# Allegro board 038RT-9068CJK8E-A100_0921_1.brd (continued)
## Routing (per net, layer and track width the routed paths; a pad name or vN(x,y) marks a point on that pad's centre or on a via; arc(x,y) is an arc through that point) (continued)
  vias: v1(598.8,270.22) v1(599.23,277.43)
SG3_C_P4_HSI+: length 6.4
  BOTTOM w0.105: UNK3K184.35 555.59,249.14 556.59,249.14 557.75,247.98 557.75,247 558.11,246.64 560,246.64 560.1,246.75 UNK3CS64.1
SG3_C_P4_HSI-: length 6.4
  BOTTOM w0.105: UNK3K184.36 555.59,248.68 556.4,248.68 557.29,247.79 557.29,246.81 557.92,246.18 560,246.18 560.1,246.07 UNK3CS63.1
SG3_C_P4_HSO+: length 7.7
  BOTTOM w0.105: UNK3K184.37 555.59,248.14 556.29,248.14 556.75,247.69 556.75,245.61 558.22,244.13 560,244.13 560.1,244.24 UNK3CS62.1
SG3_C_P4_HSO-: length 7.7
  BOTTOM w0.105: UNK3K184.38 555.59,247.68 556.1,247.68 556.28,247.5 556.28,245.41 558.03,243.67 560,243.67 560.1,243.56 UNK3CS61.1
SG3_C_P5_HSI+: length 5.7
  BOTTOM w0.105: UNK3CS74.1 560.1,255.76 560,255.66 559.24,255.66 557.22,253.64 555.59,253.64 UNK3K184.26
SG3_C_P5_HSI-: length 5.7
  BOTTOM w0.105: UNK3CS73.1 560.1,255.09 560,255.19 559.43,255.19 557.42,253.18 555.59,253.18 UNK3K184.27
SG3_C_P5_HSO+: length 5
  BOTTOM w0.105: UNK3K184.28 555.59,252.64 558.46,252.64 558.96,253.15 560,253.15 560.1,253.25 UNK3CS72.1
SG3_C_P5_HSO-: length 5
  BOTTOM w0.105: UNK3K184.29 555.59,252.18 558.65,252.18 559.15,252.68 560,252.68 560.1,252.58 UNK3CS71.1
SG3_C_P6_HSI+: length 3.4
  BOTTOM w0.14: UNK3CS107.1 558.62,269.23 558.48,269.37 555.62,269.37 UNK3K217.27
SG3_C_P6_HSI-: length 3.4
  BOTTOM w0.14: UNK3K217.26 555.62,269.76 558.48,269.76 558.62,269.9 UNK3CS108.1
SG3_C_P6_HSO+: length 110.2
  TOP w0.14: v1(472.63,256.45) 472.71,256.37 arc(472.77,256.33) 472.85,256.31 475.04,256.31 arc(475.16,256.34) 475.26,256.4 476.71,257.86 arc(476.94,258.01) 477.21,258.06 527.21,258.06 arc(527.33,258.09) 527.43,258.15 527.43,258.16 542.16,272.89 arc(542.42,273.27) 542.51,273.73 542.51,274.28 arc(542.61,274.79) 542.9,275.21 547.29,279.61 arc(547.52,279.76) 547.79,279.82 561.85,279.82 arc(562.12,279.76) 562.35,279.61 565.93,276.03 arc(566.03,275.96) 566.15,275.94 566.42,275.94 arc(566.66,275.99) 566.87,276.12 UNK3CS102.1
  BOTTOM w0.14: UNK3K214.26 469.72,255.06 470.79,255.06 472.04,256.31 472.5,256.31 v1(472.63,256.45)
SG3_C_P6_HSO-: length 110.2
  TOP w0.14: v1(472.63,255.79) 472.71,255.86 arc(472.77,255.91) 472.85,255.92 475.04,255.92 arc(475.31,255.98) 475.53,256.13 476.99,257.58 arc(477.09,257.65) 477.21,257.67 527.21,257.67 arc(527.48,257.73) 527.71,257.88 542.44,272.61 arc(542.78,273.12) 542.9,273.73 542.9,274.28 arc(542.97,274.64) 543.17,274.94 547.57,279.34 arc(547.67,279.4) 547.79,279.43 561.85,279.43 arc(561.97,279.4) 562.07,279.34 565.65,275.75 arc(565.88,275.6) 566.15,275.55 566.42,275.55 arc(566.66,275.5) 566.87,275.36 UNK3CS101.1
  BOTTOM w0.14: UNK3K214.27 469.72,254.67 470.95,254.67 472.2,255.92 472.5,255.92 v1(472.63,255.79)
SG3_C_P7_HSI+: length 4.8
  BOTTOM w0.14: UNK3K217.29 555.62,268.37 557,268.37 557.41,267.96 557.41,266.91 557.81,266.51 558.48,266.51 558.62,266.37 UNK3CS117.1
SG3_C_P7_HSI-: length 4.8
  BOTTOM w0.14: UNK3K217.28 555.62,268.76 557.16,268.76 557.8,268.12 557.8,267.07 557.98,266.9 558.48,266.9 558.62,267.04 UNK3CS118.1
SG3_C_P7_HSO+: length 111.1
  TOP w0.14: UNK3CS112.1 566.87,273.61 arc(566.66,273.48) 566.42,273.43 564.56,273.43 arc(564.44,273.45) 564.34,273.52 560.26,277.6 arc(560.03,277.75) 559.76,277.81 548.81,277.81 arc(548.54,277.75) 548.31,277.6 544.66,273.95 arc(544.51,273.73) 544.46,273.46 544.46,270.64 arc(544.43,270.52) 544.37,270.42 528.35,254.4 arc(528.25,254.34) 528.13,254.31 472.85,254.31 arc(472.77,254.33) 472.71,254.37 v1(472.63,254.45)
  BOTTOM w0.14: UNK3K214.28 469.72,254.06 470.89,254.06 471.14,254.31 472.5,254.31 v1(472.63,254.45)
SG3_C_P7_HSO-: length 111.1
  TOP w0.14: v1(472.63,253.79) 472.71,253.86 arc(472.77,253.91) 472.85,253.92 528.13,253.92 arc(528.4,253.98) 528.63,254.13 544.64,270.14 arc(544.8,270.37) 544.85,270.64 544.85,273.46 arc(544.87,273.58) 544.94,273.68 548.59,277.33 arc(548.69,277.39) 548.81,277.42 559.76,277.42 arc(559.88,277.39) 559.98,277.33 564.06,273.25 arc(564.29,273.09) 564.56,273.04 566.42,273.04 arc(566.66,272.99) 566.87,272.86 UNK3CS111.1
  BOTTOM w0.14: v1(472.63,253.79) 472.5,253.92 471.3,253.92 471.05,253.67 469.72,253.67 UNK3K214.29
SG3_CKXTAL1: length 13.2
  BOTTOM w0.115: v1(605.2,263.82) 605.76,263.82 606.35,263.23 606.35,258.29 605.26,257.2 UNK3C75.2 605.26,252.67 UNK3Y6.3
SG3_CKXTAL2: length 19
  BOTTOM w0.115: v1(605.2,264.62) 606.41,264.62 607.38,263.66 607.38,257.86 606.29,256.77 UNK3C76.2 606.29,253.17 606.56,252.89 607.91,252.89 608.2,252.61 608.2,251.27 607.71,250.78 UNK3Y6.1
SG3_DCH_TDO: length 295.8
  L46_SIGNAL w0.102: v1(599.6,261.42) 599.2,261.02 599.2,258.67 599.12,258.6
  L46_SIGNAL w0.145: v1(329.94,230.91) 334.27,235.23 385.16,235.23 397.16,247.23 411.73,247.23 413.64,245.32 417.11,245.32 417.8,244.63 441.86,244.63 442.96,243.53 475.93,243.53 479.98,247.58 544.4,247.58 547.35,244.63 555.57,244.63 558.34,241.85 572.84,241.85 575.89,244.9 587.88,244.9 591.6,248.61 591.6,254.19 593.85,256.45 596.97,256.45 599.12,258.6
  BOTTOM w0.115: v1(329.94,230.91) MUX16.5
SG3_DISB: length 58.4
  L03_SIGNAL w0.145: v1(594,273.42) 594,273.65 591.35,276.3 582.39,276.3 581.41,277.28 563.62,277.28 563.56,277.33 563.53,277.33 561.56,279.3 546.87,279.3 542.78,283.4 542.78,285.44 v2(542.15,286.07)
SG3_DVDD09: length 24.8
  TOP w0.508: SG3_DVDD09.1 563.74,266.01 565.12,264.63 570.79,264.63 571.18,265.02 578.7,265.02 579.59,264.13 v1(584.23,264.13)
  vias: v1(584.87,264.13) v1(585.69,264.65) v1(586.52,264.65) v1(595.6,266.22) v1(595.6,265.42) v1(595.6,264.62) v1(596.4,266.22) v1(596.4,265.42) v1(596.4,264.62) v1(597.2,267.02) v1(598,267.02) v1(598.8,271.82) v1(598.8,267.02) v1(599.6,271.82) v1(599.6,267.02) v1(600.4,267.82) v1(601.2,267.02) v1(601.2,266.22) v1(601.2,265.42) v1(603.6,267.02) v1(603.6,266.22) v1(603.6,264.62)
SG3_DVDD33: length 20.4
  TOP w0.508: SG3_DVDD33.1 565.1,255.18 571.29,255.18 572.36,256.25 580.3,256.25 581.14,255.4 v1(582.78,255.4)
  vias: v1(583.41,255.4) v1(584.24,255.92) v1(592.37,263.02) v1(595.6,263.82) v1(595.6,263.02) v1(595.6,260.62) v1(596.4,263.82)
SG3_FE_LED0: length 26.9
  L05_SIGNAL w0.102: v1(595.6,262.22) 595.2,261.82 595.2,258.6
  L05_SIGNAL w0.105: v2(592.31,237.18) 592.87,237.73 592.87,243.44 592.25,244.06 592.25,254.05 595.2,257 595.2,258.6
SG3_FE_LED1: length 26.9
  L05_SIGNAL w0.102: 594.47,257.92 594.47,258.63 594.4,258.7 594.4,261.82 v1(594.8,262.22)
  L05_SIGNAL w0.105: v2(590.41,237.18) 591.52,238.29 591.52,254.35 594.47,257.3 594.47,257.92
SG3_GPIO_VDDIO: length 21.3
  TOP w0.508: SG3_GPIO_VDDIO.1 565.12,283.73 569.62,283.73 578.94,274.41 v1(580.6,274.41)
  vias: v1(581.24,274.41) v1(593.2,271.82) v1(593.2,269.42) v1(594,269.42) v1(594,262.22) v1(594.8,271.82) v1(594.8,267.02) v1(596.4,271.82) v1(596.4,269.42) v1(596.4,267.02) v1(597.2,268.62)
SG3_GPIOA_0: length 34.2
  L09_SIGNAL w0.105: v2(565.64,269.24) 567.55,271.15 569,271.15 571.28,273.43 581.78,273.43 582.82,274.47 596.15,274.47 v1(597.2,273.42)
SG3_GPIOA_1: length 85.3
  L03_SIGNAL w0.145: v1(596.4,273.42) 596.19,273.62 596.19,275.8 594.74,277.26 594.74,278.96 593.61,280.09 591.34,280.09 584.36,287.08 577.3,287.08 572.97,282.74 562.36,282.74 560.71,281.09 548.42,281.09 547.23,282.28 v2(547.23,283.66)
  L09_SIGNAL w0.105: v2(524.37,286.07) 525.14,285.29 545.6,285.29 v2(547.23,283.66)
SG3_GPIOA_2: length 75.8
  L03_SIGNAL w0.145: v2(545.96,283.66) 545.96,282.59 548.06,280.49 562.06,280.49 563.58,278.97 581.87,278.97 583.29,277.54 592.01,277.54 595.6,273.95 v1(595.6,273.42)
  L09_SIGNAL w0.105: v2(525.64,283.66) 526.41,282.89 545.18,282.89 v2(545.96,283.66)
SG3_GPIOA_3: length 59.5
  L03_SIGNAL w0.145: v1(594.8,273.42) 594.8,273.69 591.59,276.89 583.1,276.89 583.03,276.97 582.7,276.97 581.73,277.93 563.78,277.93 561.81,279.9 547.35,279.9 544.01,283.24 544.01,285.48 v2(543.42,286.07)
  BOTTOM w0.115: UNK3R552.2 v2(543.42,286.07)
SG3_GPIOB_0: length 63.5
  L03_SIGNAL w0.102: v1(597.2,272.62) 597.6,273.02 597.6,273.64
  L03_SIGNAL w0.145: 597.6,273.64 597.6,276.42 596.83,277.19 596.83,281.03 595.45,282.41 591.62,282.41 591.61,282.42 591.18,282.42 585.33,288.27 576.66,288.27 572.38,283.99 561.75,283.99 560.89,283.13 552.2,283.13 552.16,283.17 552.1,283.17 551.82,283.46 551.82,283.51 551.71,283.62 551.71,285.4 v2(551.04,286.07)
  BOTTOM w0.115: UNK3R264.1 v2(551.04,286.07)
SG3_GPIOB_1: length 64.8
  L03_SIGNAL w0.102: 596.8,273.64 596.8,273.02 v1(596.4,272.62)
  L03_SIGNAL w0.145: 596.8,273.64 596.8,276.09 596.03,276.86 596.03,280.15 595.18,280.99 591.61,280.99 584.93,287.67 576.98,287.67 572.7,283.39 562,283.39 561.14,282.53 550.13,282.53 549.14,283.52 549.14,285.43 v2(548.5,286.07)
  BOTTOM w0.115: UNK3R62.1 v2(548.5,286.07)
SG3_GPIOB_2: length 74.9
  L03_SIGNAL w0.102: 590.38,271.42 595.07,271.42 595.2,271.55 595.2,272.22 v1(595.6,272.62)
  L03_SIGNAL w0.145: v2(530.72,286.07) 531.29,285.49 531.29,281.23 533.27,279.25 538.31,279.25 540.93,276.63 541.8,276.63 542.01,276.43 542.02,276.43 543.14,275.31 549.85,275.31 552,273.16 556.04,273.16 557.61,271.59 564.03,271.59 564.75,272.31 587.2,272.31 588.09,271.42 590.38,271.42
SG3_GPIOC_0: length 68.3
  L05_SIGNAL w0.102: 596.8,273.84 596.8,271.42 v1(597.2,271.02)
  L05_SIGNAL w0.105: v2(554.85,286.07) 554.17,285.39 554.17,282.7 555.73,281.14 560.57,281.14 563.01,283.58 563.01,289.15 563.93,290.07 583.91,290.07 592.97,281.01 595.34,281.01 596.08,280.27 596.08,276.71 596.8,275.99 596.8,273.84
  BOTTOM w0.115: UNK3R568.1 v2(554.85,286.07)
SG3_GPIOC_1: length 64.1
  L03_SIGNAL w0.102: v1(597.2,270.22) 597.6,270.62 598.28,270.62 598.4,270.74 598.4,273.64
  L03_SIGNAL w0.145: 598.4,273.64 598.4,276.52 597.92,277 597.92,281.35 596.26,283.01 591.87,283.01 585.99,288.88 574.83,288.88 571.63,285.68 560.69,285.68 560.38,285.37 553.01,285.37 v2(552.31,286.07)
  BOTTOM w0.115: UNK3R569.1 v2(552.31,286.07)
SG3_GPIOC_2: length 69
  L05_SIGNAL w0.102: v1(596.4,271.02) 596,271.42 596,273.84
  L05_SIGNAL w0.105: v2(549.77,286.07) 550.47,285.37 550.47,282.65 552.66,280.46 560.68,280.46 563.56,283.35 563.56,286.79 564.55,287.77 564.55,287.78 564.7,287.93 564.7,288.6 565.53,289.43 583.64,289.43 594.34,278.73 594.34,277.41 596,275.76 596,273.84
  BOTTOM w0.115: UNK3R570.1 v2(549.77,286.07)
SG3_GPIOC_3: length 67.3
  L03_SIGNAL w0.102: 599.2,273.64 599.2,269.98 599.03,269.82 596.8,269.82 v1(596.4,270.22)
  L03_SIGNAL w0.145: v2(553.58,286.07) 554.22,286.71 554.22,287.3 554.57,287.65 570.79,287.65 572.62,289.48 586.89,289.48 591.42,284.95 596.91,284.95 598.72,283.15 598.72,277.24 599.2,276.76 599.2,273.64
  BOTTOM w0.115: UNK3R571.1 v2(553.58,286.07)
SG3_GPIOC_4: length 72.6
  L05_SIGNAL w0.102: 595.2,273.84 595.2,271.42 v1(595.6,271.02)
  L05_SIGNAL w0.105: v2(544.69,286.07) 545.4,285.36 545.4,282.6 548.11,279.89 560.89,279.89 564.12,283.12 564.12,286.56 564.93,287.37 575.66,287.37 577.16,288.87 582.76,288.87 592.5,279.13 592.5,277.11 595.2,274.41 595.2,273.84
  BOTTOM w0.115: UNK3R572.1 v2(544.69,286.07)
SG3_GPIOC_5: length 84.4
  L03_SIGNAL w0.102: 590.38,269.82 595.2,269.82 v1(595.6,270.22)
  L03_SIGNAL w0.145: v2(528.18,286.07) 528.82,285.42 528.82,279.13 531.18,276.78 531.18,271.72 532.13,270.78 549.82,270.78 550.68,271.63 555.1,271.63 557.9,268.83 563.83,268.83 564.49,268.17 586.25,268.17 587.91,269.82 590.38,269.82
  BOTTOM w0.115: UNK3R573.1 v2(528.18,286.07)
SG3_GPIOD_0: length 70.5
  L05_SIGNAL w0.102: 594.4,273.84 594.4,271.42 v1(594.8,271.02)
  L05_SIGNAL w0.105: 594.4,273.84 594.4,273.98 591.76,276.62 591.76,278.41 581.97,288.21 577.44,288.21 576.05,286.82 565.16,286.82 564.67,286.33 564.67,281.63 562.38,279.33 547.24,279.33 543.72,282.85 542.96,282.85 v2(542.15,283.66)
SG3_GPIOD_1: length 75
  L03_SIGNAL w0.102: v1(594.8,270.22) 594.4,270.62 590.38,270.62
  L03_SIGNAL w0.145: v2(529.45,286.07) 530.15,285.37 530.15,281.03 532.7,278.48 538.02,278.48 540.66,275.83 541.77,275.83 542.92,274.68 549.44,274.68 551.63,272.5 555.16,272.5 557.71,269.95 587.2,269.95 587.66,270.42 587.77,270.42 587.98,270.62 590.38,270.62
SG3_GPIOD_2: length 83.2
  L07_SIGNAL w0.102: v1(594,267.02) 593.6,266.62 590.38,266.62
  L07_SIGNAL w0.105: 590.38,266.62 566.69,266.62 561.49,271.81 551.34,271.81 545.37,277.78 526.23,277.78 521.24,282.77 521.24,285.48 v2(521.83,286.07)
SG3_GPIOE_0: length 83.7
  L03_SIGNAL w0.102: v1(594,268.62) 593.6,269.02 590.38,269.02
  L03_SIGNAL w0.145: v2(526.91,286.07) 527.58,285.4 527.58,271.52 529.58,269.52 556.2,269.52 558.17,267.55 587.25,267.55 588.73,269.02 590.38,269.02
SG3_GPIOE_1: length 85.3
  L03_SIGNAL w0.102: 590.38,268.22 593.6,268.22 v1(594,267.82)
  L03_SIGNAL w0.145: v2(525.64,286.07) 526.27,285.44 526.27,271.46 528.93,268.79 550.76,268.79 552.02,267.53 554.43,267.53 555.16,266.8 587.35,266.8 588.78,268.22 590.38,268.22
SG3_GPIOE_2: length 73
  L07_SIGNAL w0.102: v1(595.6,268.62) 595.2,269.02 590.38,269.02
  L07_SIGNAL w0.105: 590.38,269.02 589.2,269.02 588.49,268.31 571.79,268.31 560.35,279.75 533.36,279.75 v2(529.45,283.66)
SG3_GPIOE_3: length 72.2
  L07_SIGNAL w0.102: 590.38,269.81 595.76,269.81 595.99,269.58 595.99,269.46 596,269.45 596,269.02 v1(596.4,268.62)
  L07_SIGNAL w0.105: v2(530.72,283.66) 534.01,280.37 561.5,280.37 571.68,270.19 583.74,270.19 584.12,269.81 590.38,269.81
SG3_GPIOE_4: length 77
  L07_SIGNAL w0.102: 590.38,268.22 595.2,268.22 v1(595.6,267.82)
  L07_SIGNAL w0.105: v2(526.91,283.66) 526.91,282.34 530.07,279.18 559.67,279.18 564.34,274.51 564.34,273.56 570.17,267.73 589.09,267.73 589.58,268.22 590.38,268.22
SG3_GPIOF_0: length 80.1
  L07_SIGNAL w0.102: 596.64,273.84 596.8,273.68 596.8,268.22 v1(596.4,267.82)
  L07_SIGNAL w0.105: 596.64,273.84 596.08,274.4 584.3,274.4 581.26,277.45 576.87,277.45 571.34,282.98 562.6,282.98 560.7,281.07 535,281.07 532.55,283.52 532.55,285.5 v2(531.99,286.07)
  BOTTOM w0.115: UNK3R577.1 v2(531.99,286.07)
SG3_GPIOF_1: length 79.1
  L07_SIGNAL w0.102: v1(597.2,267.82) 597.6,268.22 597.6,273.84
  L07_SIGNAL w0.105: 597.6,273.84 597.6,273.95 596.55,275 584.59,275 581.59,278 577.1,278 571.57,283.53 562.37,283.53 562.33,283.49 562.06,283.49 561.12,282.55 534.66,282.55 533.95,283.26 533.95,285.37 v2(533.26,286.07)
  BOTTOM w0.115: UNK3R576.1 v2(533.26,286.07)
SG3_GPIOF_2: length 76.7
  L07_SIGNAL w0.102: 598.4,273.84 598.4,268.22 v1(598,267.82)
  L07_SIGNAL w0.105: 598.4,273.84 598.4,274.1 596.95,275.55 585,275.55 581.99,278.56 577.33,278.56 571.8,284.09 562.14,284.09 562.12,284.07 561.26,284.07 560.05,285.28 535.32,285.28 v2(534.53,286.07)
  BOTTOM w0.115: UNK3R575.1 v2(534.53,286.07)
SG3_GPIOF_3: length 79.7
  L07_SIGNAL w0.102: v1(598.8,267.82) 599.2,268.22 599.2,273.84
  L07_SIGNAL w0.105: 599.2,273.84 599.2,274.89 596.81,277.28 596.81,279.35 588.45,287.71 536.72,287.71 536.47,287.46 536.47,286.75 v2(535.8,286.07)
  BOTTOM w0.115: UNK3R574.1 v2(535.8,286.07)
SG3_GPIOF_4: length 83.6
  L07_SIGNAL w0.102: v1(595.6,267.02) 595.2,267.42 590.38,267.42
  L07_SIGNAL w0.105: 590.38,267.42 590.13,267.17 568.73,267.17 563.52,272.39 563.52,274.28 559.37,278.43 527.58,278.43 523.73,282.27 523.73,285.44 v2(523.1,286.07)
SG3_HL_P1_TXD0: length 7.5
  BOTTOM w0.115: UNK3RRG51.1 UNK3RRG52.1 554.35,239.36 554.14,239.57 550.59,239.57 UNK3K225.2
SG3_HL_P1_TXD1: length 7.5
  BOTTOM w0.115: UNK3K225.7 550.64,240.39 554.14,240.39 554.4,240.65 UNK3RRG54.1 UNK3RRG53.1
SG3_HL_P1_TXD2: length 7.5
  BOTTOM w0.115: UNK3K226.2 535.35,239.57 538.9,239.57 539.11,239.36 UNK3RRG56.1 UNK3RRG55.1
SG3_HL_P1_TXD3: length 7.5
  BOTTOM w0.115: UNK3RRG57.1 UNK3RRG58.1 539.16,240.65 538.9,240.39 535.4,240.39 UNK3K226.7
SG3_HL_P5_TXD0: length 7.5
  BOTTOM w0.115: UNK3RRG91.1 UNK3RRG92.1 554.35,233.01 554.14,233.22 550.59,233.22 UNK3K227.2
SG3_HL_P5_TXD1: length 7.5
  BOTTOM w0.115: UNK3K227.7 550.64,234.04 554.14,234.04 554.4,234.3 UNK3RRG94.1 UNK3RRG93.1
SG3_HL_P5_TXD2: length 7.5
  BOTTOM w0.115: UNK3RRG95.1 UNK3RRG96.1 539.11,233.01 538.9,233.22 535.35,233.22 UNK3K228.2
SG3_HOLD: length 40.3
  L03_SIGNAL w0.102: 596,258.7 596,261.02 v1(595.6,261.42)
  L03_SIGNAL w0.145: v1(626.58,247.83) 622.67,251.74 622.67,252.75 622.19,253.22 619.02,253.22 615.72,256.53 606.92,256.53 606.33,255.93 602.1,255.93 601.46,255.29 598.21,255.29 596,257.5 596,258.7
SG3_INH: length 69.8
  L05_SIGNAL w0.102: 598.4,273.84 598.4,271.42 v1(598.8,271.02)
  L05_SIGNAL w0.105: v2(556.12,286.07) 556.82,285.36 556.82,283.46 557.95,282.33 560.19,282.33 561.9,284.04 561.9,290.45 562.62,291.18 562.98,291.18 585.26,291.18 588.94,287.5 597.21,287.5 598.05,286.66 598.05,276.85 598.4,276.5 598.4,273.84
SG3_LDOIN: length 20.3
  TOP w0.508: v1(582.78,259.44) 581.48,259.44 580.48,258.44 572.33,258.44 571.92,258.02 565.43,258.02 SG3_LDOIN.1
  vias: v1(583.41,259.44) v1(598,268.62) v1(598.8,268.62) v1(598.8,264.62) v1(598.8,263.82) v1(599.6,264.62) v1(599.6,263.82)
SG3_MCT1: length 5
  TOP w0.115: UNK3T13.2 v2(633.45,310.42) ; UNK3R135.1 v2(636.62,310.42)
  L03_SIGNAL w0.145: v2(633.45,310.42) v2(636.62,310.42)
SG3_MCT2: length 11.8
  TOP w0.115: UNK3R136.1 v2(630.59,310.42) ; UNK3T13.7 v2(639.8,310.42)
  L03_SIGNAL w0.145: v2(639.8,310.42) 638.92,311.3 631.46,311.3 v2(630.59,310.42)
SG3_MCT_RC: length 8.9
  L03_SIGNAL w0.145: v2(636.62,308.83) 636.06,309.39 631.15,309.39 v2(630.59,308.83) 628.7,308.83 v2(628.37,309.17)
SG3_NGATE: length 64.8
  L05_SIGNAL w0.102: 599.2,273.84 599.2,269.93 599.3,269.82 600.8,269.82 v1(601.2,270.22)
  L05_SIGNAL w0.105: v2(559.93,286.07) 560.97,287.12 560.97,291.07 561.67,291.76 585.94,291.76 589.52,288.18 597.4,288.18 598.71,286.87 598.71,277.17 599.2,276.68 599.2,273.84
SG3_P0_LDOOUT: length 1.8
  TOP w0.508: v2(602.47,294.33) 602.46,294.32 UNK3CG101.1
  vias: v1(599.6,268.62) v1(599.6,267.82)
SG3_P0_LED: length 26.8
  L05_SIGNAL w0.102: v1(599.6,262.22) 600,261.82 600,258.66 600.06,258.6
  L05_SIGNAL w0.105: 600.06,258.6 600.13,258.53 600.13,256.6 601.46,255.28 601.46,245.84 603.74,243.55 v2(603.74,237.18)
SG3_P0_MDI+: length 23.4
  TOP w0.105: UNK3T2.4 623.8,279.51 623.41,279.9 620.7,279.9 617.31,276.5 608.36,276.5 606.36,274.5 606.36,272.37 605.98,271.99 605.36,271.99 v1(605.2,271.82)
SG3_P0_MDI-: length 23.4
  TOP w0.105: UNK3T2.3 623.41,280.36 620.5,280.36 617.11,276.97 608.17,276.97 605.89,274.69 605.89,272.56 605.79,272.45 605.36,272.45 v1(605.2,272.62)
SG3_P0_RXC: length 155.1
  L09_SIGNAL w0.105: v2(563.74,288.29) 565.92,286.11 570.88,286.11 578.62,278.37 581.99,278.37 584.17,276.19 597.63,276.19 v1(600.4,273.42)
  L13_SIGNAL w0.105: UNK3K181.7 502.86,274.29 507.49,274.29 510.54,277.34 540.37,277.34 546.24,271.47 546.24,268.98 552.73,262.49 557.93,262.49 559.2,261.23 565.18,261.23 566.25,260.16 566.25,259.25 566.97,258.52 569.36,258.52 570.15,259.31 570.15,278.45 564.26,284.34 564.26,287.77 v2(563.74,288.29)
SG3_P0_RXD0: length 180.5
  L09_SIGNAL w0.102: 590.38,270.62 597.45,270.62 597.6,270.77 597.6,272.22 v1(598,272.62)
  L09_SIGNAL w0.105: 590.38,270.62 586.02,270.62 584.32,268.92 573.58,268.92 569.32,264.67 565.52,264.67 v2(563.74,262.89)
  L13_SIGNAL w0.105: v2(563.74,262.89) 564.58,263.73 564.58,270.95 565.68,272.05 565.68,276.45 564.97,277.17 561.78,277.17 561.19,276.57 561.19,266.79 560.56,266.16 558.34,266.16 557.51,267 557.51,274.66 555.94,276.23 550.94,276.23 549.86,277.3 549.86,279.44 549.29,280.01 526.31,280.01 524.75,278.45 520.7,278.45 519.92,279.23 502.81,279.23 497.49,284.55 486.74,284.55 485.29,283.1 485.29,279.6 486.53,278.36 491.16,278.36 492.06,277.46 492.06,275.18 491.16,274.29 487.1,274.29 UNK3K180.7
SG3_P0_RXD1: length 171.8
  L09_SIGNAL w0.105: v2(563.74,281.94) 565.55,280.13 574.17,280.13 579.24,275.06 596.35,275.06 v1(598,273.42)
  L13_SIGNAL w0.105: UNK3K181.2 499.7,277.87 493.61,277.87 491.35,280.12 491.35,282.69 491.92,283.26 497.52,283.26 502.89,277.89 510.3,277.89 510.31,277.89 525.82,277.89 527.12,279.19 547.79,279.19 548.83,278.15 548.83,275.68 551.19,273.31 555.02,273.31 555.69,272.65 555.69,265.31 557.29,263.71 560.83,263.71 562.75,261.79 565.67,261.79 566.81,260.65 566.81,259.48 567.21,259.09 568.13,259.09 568.6,259.55 568.6,277.08 v2(563.74,281.94)
SG3_P0_RXD2: length 155.9
  L09_SIGNAL w0.102: 590.38,269.02 590.54,269.02 590.54,269.02 598.25,269.02 598.4,269.16 598.4,272.22 v1(598.8,272.62)
  L09_SIGNAL w0.105: v2(565.64,259.71) 567.49,261.56 569.8,261.56 571.79,263.55 577.1,263.55 580.86,267.32 584.98,267.32 586.68,269.02 590.38,269.02
  L13_SIGNAL w0.105: v2(565.64,259.71) 562.17,259.71 561.63,259.18 561.63,258.53 562.25,257.91 564.43,257.91 564.94,257.41 564.94,254.24 563.8,253.1 558.24,253.1 556.49,254.86 556.49,259.81 555.85,260.45 552.59,260.45 542.36,270.68 531.15,270.68 530.33,269.86 530.33,256.38 529.84,255.89 505.08,255.89 504.3,256.67 504.3,257.88 505.22,258.8 515.16,258.8 515.85,259.49 515.85,262.3 UNK3K182.2
SG3_P0_RXD3: length 170.3
  L09_SIGNAL w0.105: v1(598.8,273.42) 596.59,275.62 583.94,275.62 581.75,277.81 577.78,277.81 570.48,285.12 v2(569.45,285.12)
  L13_SIGNAL w0.105: v2(569.45,285.12) 571.41,283.15 571.41,244.03 570.38,243 565.38,243 564.72,243.67 564.72,247.56 559.97,252.31 557.31,252.31 555.46,254.16 555.46,258.76 554.88,259.34 545.65,259.34 544.5,258.18 533.31,258.18 530.12,254.99 500.89,254.99 499.98,255.9 499.98,262.2 UNK3K183.2
SG3_P0_RXDV: length 178.4
  L09_SIGNAL w0.102: v1(599.6,272.62) 599.2,272.22 599.2,268.42 598.99,268.22 590.54,268.22 590.54,268.22 590.38,268.22
  L09_SIGNAL w0.105: v2(567.55,259.71) 568.6,260.76 570.13,260.76 572.23,262.86 577.54,262.86 581.2,266.52 585.32,266.52 587.02,268.22 590.38,268.22
  L13_SIGNAL w0.105: UNK3K180.2 483.32,278.48 483.32,283.67 485.1,285.45 497.63,285.45 503.03,280.05 524.62,280.05 525.56,280.99 562.32,280.99 562.68,280.64 562.68,280.04 562.21,279.57 551.39,279.57 550.95,279.14 550.95,278.4 551.36,277.99 565.71,277.99 566.71,276.98 566.71,262.26 567.55,261.43 v2(567.55,259.71)
SG3_P0_TESTD: length 65
  L05_SIGNAL w0.102: 600,273.84 600,273.02 v1(600.4,272.62)
  L05_SIGNAL w0.105: v2(558.66,283.66) 559.33,284.34 559.33,287.24 560.29,288.21 560.29,291.42 561.27,292.39 586.47,292.39 590.06,288.8 597.62,288.8 600,286.43 600,273.84
SG3_P0_TXC: length 126.1
  L09_SIGNAL w0.102: 590.38,267.42 590.54,267.42 590.54,267.42 601.42,267.42 601.6,267.6 601.6,272.22 v1(602,272.62)
  L09_SIGNAL w0.105: v2(569.45,259.71) 570.28,259.71 572.66,262.09 577.6,262.09 579.1,263.59 586.14,263.59 589.97,267.42 590.38,267.42
  L11_SIGNAL w0.105: v2(569.45,259.71) 568.5,260.66 568.5,278.11 567.86,278.75 551.4,278.75 551.14,278.48 551.14,277.99 551.43,277.7 554.14,277.7 554.39,277.45 554.39,276.97 554.13,276.71 545.03,276.71 544.2,275.88 544.2,270.7 543.45,269.95 524.63,269.95 522.84,268.16 518.95,268.16 UNK3K233.2
SG3_P0_TXD0: length 130.2
  L09_SIGNAL w0.102: v1(602.8,272.62) 602.4,272.22 602.4,266.78 602.24,266.62 590.54,266.62 590.54,266.62 590.38,266.62
  L09_SIGNAL w0.105: v2(565.64,256.54) 567.51,258.41 570.38,258.41 572.81,260.84 577.35,260.84 579.45,262.94 586.52,262.94 590.19,266.62 590.38,266.62
  L11_SIGNAL w0.105: v2(565.64,256.54) 564.63,257.55 564.63,274.93 563.94,275.63 562.14,275.63 561.45,274.93 561.45,264.38 560.48,263.41 549.7,263.41 548.42,264.69 528.06,264.69 526.82,263.45 526.82,259.92 526.06,259.16 518.55,259.16 UNK3K182.7
SG3_P0_TXD1: length 155.4
  L09_SIGNAL w0.105: v1(602.8,273.42) 602.8,275.32 599.43,278.69 592.34,278.69 583.29,287.73 570.01,287.73 v2(569.45,288.29)
  L11_SIGNAL w0.105: UNK3K231.7 503.02,268.25 506.55,268.25 507.34,267.46 507.34,265.51 508.05,264.8 511.7,264.8 512.52,265.62 512.52,270.71 513.18,271.37 541.55,271.37 542.13,271.95 542.13,277.24 542.57,277.68 548.55,277.68 548.9,278.03 548.9,278.65 548.66,278.9 537.22,278.9 537,279.11 537,279.61 537.29,279.89 566.69,279.89 568.35,281.55 568.35,287.19 v2(569.45,288.29)
SG3_P0_TXD2: length 129.9
  L09_SIGNAL w0.102: 590.38,265.67 590.52,265.82 590.54,265.82 590.54,265.82 603.02,265.82 603.2,266 603.2,272.22 v1(603.6,272.62)
  L09_SIGNAL w0.105: v2(567.55,256.54) 568.62,257.61 570.72,257.61 573.14,260.04 577.44,260.04 579.74,262.34 587.05,262.34 590.38,265.67
  L11_SIGNAL w0.105: UNK3K233.7 518.73,265.19 525.48,265.19 529.11,268.81 546.66,268.81 547.25,269.41 547.25,270.78 545.36,272.67 545.36,275.13 546.11,275.88 555.52,275.88 555.9,276.26 555.9,277.49 556.3,277.89 566.19,277.89 566.76,277.33 566.76,257.33 v2(567.55,256.54)
SG3_P0_TXD3: length 121.7
  L09_SIGNAL w0.105: v2(567.55,288.29) 568.66,289.4 583.98,289.4 593.03,280.35 598.68,280.35 603.6,275.43 v1(603.6,273.42)
  L11_SIGNAL w0.105: UNK3K232.2 518.66,277.54 522.89,277.54 525.02,279.66 533.13,279.66 533.5,280.03 533.5,280.72 533.18,281.04 525.03,281.04 524.66,281.41 524.66,282.42 524.94,282.69 560.23,282.69 561.01,283.47 561.01,288.11 561.97,289.07 566.77,289.07 v2(567.55,288.29)
SG3_P0_TXEN: length 123.8
  L09_SIGNAL w0.105: v2(565.64,288.29) 567.22,286.72 571.32,286.72 579.06,278.98 582.24,278.98 584.42,276.8 599.57,276.8 602,274.37 v1(602,273.42)
  L11_SIGNAL w0.105: UNK3K232.7 518.81,274.48 538.05,274.48 538.79,275.22 538.79,276.59 538.12,277.26 527.38,277.26 527,277.64 527,278.2 527.31,278.51 533.65,278.51 536.15,281.01 560.48,281.01 565.64,286.17 v2(565.64,288.29)
SG3_P0_VDDIO: length 0.8
  BOTTOM w0.508: v1(604.4,273.42) 604.4,274.2 UNK3CG138.1
  vias: v1(601.2,273.42) v1(601.2,272.62) v1(607.11,278.06) v1(607.11,277.43)
